# KiCad board demomatrix.kicad_pcb (continued)
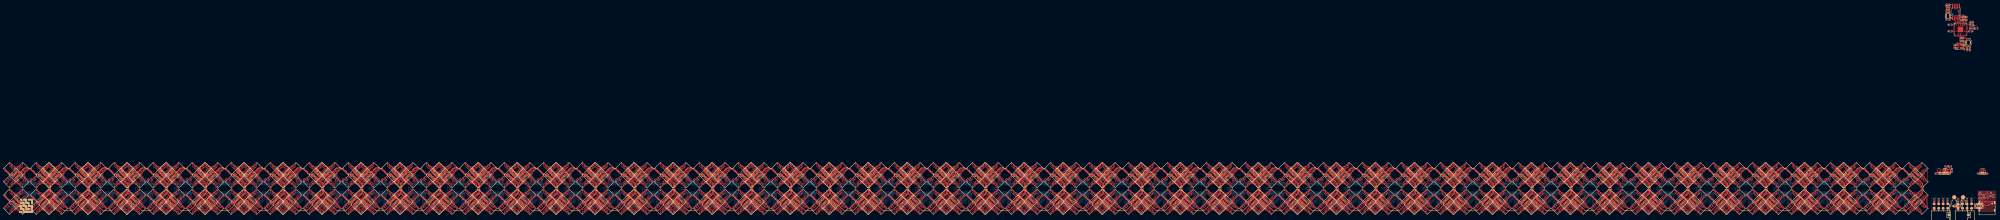
[diagram p0: board, top side]
## Nets (continued)
rgbs[1]-anodes-anode-114: LED257.5 LED258.6
rgbs[1]-anodes-anode-115: LED257.7 LED258.8
rgbs[1]-anodes-anode-116: LED261.3 LED262.4
rgbs[1]-anodes-anode-117: LED261.1 LED262.2
rgbs[1]-anodes-anode-118: LED261.5 LED262.6
rgbs[1]-anodes-anode-119: LED261.7 LED262.8
rgbs[1]-anodes-anode-120: LED265.3 LED266.4
rgbs[1]-anodes-anode-121: LED265.1 LED266.2
rgbs[1]-anodes-anode-122: LED265.5 LED266.6
rgbs[1]-anodes-anode-123: LED265.7 LED266.8
rgbs[1]-anodes-anode-124: LED269.3 LED270.4
rgbs[1]-anodes-anode-125: LED269.1 LED270.2
rgbs[1]-anodes-anode-126: LED269.5 LED270.6
rgbs[1]-anodes-anode-127: LED269.7 LED270.8
rgbs[1]-anodes-anode-128: LED273.3 LED274.4
rgbs[1]-anodes-anode-129: LED273.1 LED274.2
rgbs[1]-anodes-anode-130: LED273.5 LED274.6
rgbs[1]-anodes-anode-131: LED273.7 LED274.8
rgbs[1]-anodes-anode-132: LED277.3 LED278.4
rgbs[1]-anodes-anode-133: LED277.1 LED278.2
rgbs[1]-anodes-anode-134: LED277.5 LED278.6
rgbs[1]-anodes-anode-135: LED277.7 LED278.8
rgbs[1]-anodes-anode-136: LED281.3 LED282.4
rgbs[1]-anodes-anode-137: LED281.1 LED282.2
rgbs[1]-anodes-anode-138: LED281.5 LED282.6
rgbs[1]-anodes-anode-139: LED281.7 LED282.8
rgbs[1]-anodes-anode-140: LED285.3 LED286.4
rgbs[1]-anodes-anode-141: LED285.1 LED286.2
rgbs[1]-anodes-anode-142: LED285.5 LED286.6
rgbs[1]-anodes-anode-143: LED285.7 LED286.8
rgbs[1]-anodes-anode-144: LED289.3 LED290.4
rgbs[1]-anodes-anode-145: LED289.1 LED290.2
rgbs[1]-anodes-anode-146: LED289.5 LED290.6
rgbs[1]-anodes-anode-147: LED289.7 LED290.8
rgbs[1]-anodes-anode-148: LED293.3 LED294.4
rgbs[1]-anodes-anode-149: LED293.1 LED294.2
rgbs[1]-anodes-anode-150: LED293.5 LED294.6
rgbs[1]-anodes-anode-151: LED293.7 LED294.8
rgbs[1]-anodes-anode-152: LED297.3 LED298.4
rgbs[1]-anodes-anode-153: LED297.1 LED298.2
rgbs[1]-anodes-anode-154: LED297.5 LED298.6
rgbs[1]-anodes-anode-155: LED297.7 LED298.8
rgbs[1]-anodes-anode-156: LED301.3 LED302.4
rgbs[1]-anodes-anode-157: LED301.1 LED302.2
rgbs[1]-anodes-anode-158: LED301.5 LED302.6
rgbs[1]-anodes-anode-159: LED301.7 LED302.8
rgbs[1]-anodes-anode-160: LED305.3 LED306.4
rgbs[1]-anodes-anode-161: LED305.1 LED306.2
rgbs[1]-anodes-anode-162: LED305.5 LED306.6
rgbs[1]-anodes-anode-163: LED305.7 LED306.8
rgbs[1]-anodes-anode-164: LED309.3 LED310.4
rgbs[1]-anodes-anode-165: LED309.1 LED310.2
rgbs[1]-anodes-anode-166: LED309.5 LED310.6
rgbs[1]-anodes-anode-167: LED309.7 LED310.8
rgbs[1]-anodes-anode-168: LED313.3 LED314.4
rgbs[1]-anodes-anode-169: LED313.1 LED314.2
rgbs[1]-anodes-anode-170: LED313.5 LED314.6
rgbs[1]-anodes-anode-171: LED313.7 LED314.8
rgbs[1]-anodes-anode-172: LED317.3 LED318.4
rgbs[1]-anodes-anode-173: LED317.1 LED318.2
rgbs[1]-anodes-anode-174: LED317.5 LED318.6
rgbs[1]-anodes-anode-175: LED317.7 LED318.8
rgbs[1]-anodes-anode-176: LED17.3 LED18.4
rgbs[1]-anodes-anode-177: LED17.1 LED18.2
rgbs[1]-anodes-anode-178: LED17.5 LED18.6
rgbs[1]-anodes-anode-179: LED17.7 LED18.8
rgbs[1]-anodes-anode-180: LED21.3 LED22.4
rgbs[1]-anodes-anode-181: LED21.1 LED22.2
rgbs[1]-anodes-anode-182: LED21.5 LED22.6
rgbs[1]-anodes-anode-183: LED21.7 LED22.8
rgbs[1]-anodes-anode-184: LED25.3 LED26.4
rgbs[1]-anodes-anode-185: LED25.1 LED26.2
rgbs[1]-anodes-anode-186: LED25.5 LED26.6
rgbs[1]-anodes-anode-187: LED25.7 LED26.8
rgbs[1]-anodes-anode-188: LED29.3 LED30.4
rgbs[1]-anodes-anode-189: LED29.1 LED30.2
rgbs[1]-anodes-anode-190: LED29.5 LED30.6
rgbs[1]-anodes-anode-191: LED29.7 LED30.8
rgbs[1]-anodes-anode-192: LED321.3 LED322.4
rgbs[1]-anodes-anode-193: LED321.1 LED322.2
rgbs[1]-anodes-anode-194: LED321.5 LED322.6
rgbs[1]-anodes-anode-195: LED321.7 LED322.8
rgbs[1]-anodes-anode-196: LED325.3 LED326.4
rgbs[1]-anodes-anode-197: LED325.1 LED326.2
rgbs[1]-anodes-anode-198: LED325.5 LED326.6
rgbs[1]-anodes-anode-199: LED325.7 LED326.8
rgbs[1]-anodes-anode-200: LED329.3 LED330.4
rgbs[1]-anodes-anode-201: LED329.1 LED330.2
rgbs[1]-anodes-anode-202: LED329.5 LED330.6
rgbs[1]-anodes-anode-203: LED329.7 LED330.8
rgbs[1]-anodes-anode-204: LED333.3 LED334.4
rgbs[1]-anodes-anode-205: LED333.1 LED334.2
rgbs[1]-anodes-anode-206: LED333.5 LED334.6
rgbs[1]-anodes-anode-207: LED333.7 LED334.8
rgbs[1]-anodes-anode-208: LED337.3 LED338.4
rgbs[1]-anodes-anode-209: LED337.1 LED338.2
rgbs[1]-anodes-anode-210: LED337.5 LED338.6
rgbs[1]-anodes-anode-211: LED337.7 LED338.8
rgbs[1]-anodes-anode-212: LED341.3 LED342.4
rgbs[1]-anodes-anode-213: LED341.1 LED342.2
rgbs[1]-anodes-anode-214: LED341.5 LED342.6
rgbs[1]-anodes-anode-215: LED341.7 LED342.8
rgbs[1]-anodes-anode-216: LED345.3 LED346.4
rgbs[1]-anodes-anode-217: LED345.1 LED346.2
rgbs[1]-anodes-anode-218: LED345.5 LED346.6
rgbs[1]-anodes-anode-219: LED345.7 LED346.8
rgbs[1]-anodes-anode-220: LED349.3 LED350.4
rgbs[1]-anodes-anode-221: LED349.1 LED350.2
rgbs[1]-anodes-anode-222: LED349.5 LED350.6
rgbs[1]-anodes-anode-223: LED349.7 LED350.8
rgbs[1]-anodes-anode-224: LED353.3 LED354.4
rgbs[1]-anodes-anode-225: LED353.1 LED354.2
rgbs[1]-anodes-anode-226: LED353.5 LED354.6
rgbs[1]-anodes-anode-227: LED353.7 LED354.8
rgbs[1]-anodes-anode-228: LED357.3 LED358.4
rgbs[1]-anodes-anode-229: LED357.1 LED358.2
rgbs[1]-anodes-anode-230: LED357.5 LED358.6
rgbs[1]-anodes-anode-231: LED357.7 LED358.8
rgbs[1]-anodes-anode-232: LED361.3 LED362.4
rgbs[1]-anodes-anode-233: LED361.1 LED362.2
rgbs[1]-anodes-anode-234: LED361.5 LED362.6
rgbs[1]-anodes-anode-235: LED361.7 LED362.8
rgbs[1]-anodes-anode-236: LED365.3 LED366.4
rgbs[1]-anodes-anode-237: LED365.1 LED366.2
rgbs[1]-anodes-anode-238: LED365.5 LED366.6
rgbs[1]-anodes-anode-239: LED365.7 LED366.8
rgbs[1]-anodes-anode-240: LED369.3 LED370.4
rgbs[1]-anodes-anode-241: LED369.1 LED370.2
rgbs[1]-anodes-anode-242: LED369.5 LED370.6
rgbs[1]-anodes-anode-243: LED369.7 LED370.8
rgbs[1]-anodes-anode-244: LED373.3 LED374.4
rgbs[1]-anodes-anode-245: LED373.1 LED374.2
rgbs[1]-anodes-anode-246: LED373.5 LED374.6
rgbs[1]-anodes-anode-247: LED373.7 LED374.8
rgbs[1]-anodes-anode-248: LED377.3 LED378.4
rgbs[1]-anodes-anode-249: LED377.1 LED378.2
rgbs[1]-anodes-anode-250: LED377.5 LED378.6
rgbs[1]-anodes-anode-251: LED377.7 LED378.8
rgbs[1]-anodes-anode-252: LED381.3 LED382.4
rgbs[1]-anodes-anode-253: LED381.1 LED382.2
rgbs[1]-anodes-anode-254: LED381.5 LED382.6
rgbs[1]-anodes-anode-255: LED381.7 LED382.8
rgbs[1]-anodes-anode-256: LED385.3 LED386.4
rgbs[1]-anodes-anode-257: LED385.1 LED386.2
rgbs[1]-anodes-anode-258: LED385.5 LED386.6
rgbs[1]-anodes-anode-259: LED385.7 LED386.8
rgbs[1]-anodes-anode-260: LED389.3 LED390.4
rgbs[1]-anodes-anode-261: LED389.1 LED390.2
rgbs[1]-anodes-anode-262: LED389.5 LED390.6
rgbs[1]-anodes-anode-263: LED389.7 LED390.8
rgbs[1]-anodes-anode-264: LED393.3 LED394.4
rgbs[1]-anodes-anode-265: LED393.1 LED394.2
rgbs[1]-anodes-anode-266: LED393.5 LED394.6
rgbs[1]-anodes-anode-267: LED393.7 LED394.8
rgbs[1]-anodes-anode-268: LED397.3 LED398.4
rgbs[1]-anodes-anode-269: LED397.1 LED398.2
rgbs[1]-anodes-anode-270: LED397.5 LED398.6
rgbs[1]-anodes-anode-271: LED397.7 LED398.8
rgbs[1]-anodes-anode-272: LED401.3 LED402.4
rgbs[1]-anodes-anode-273: LED401.1 LED402.2
rgbs[1]-anodes-anode-274: LED401.5 LED402.6
rgbs[1]-anodes-anode-275: LED401.7 LED402.8
rgbs[1]-anodes-anode-276: LED405.3 LED406.4
rgbs[1]-anodes-anode-277: LED405.1 LED406.2
rgbs[1]-anodes-anode-278: LED405.5 LED406.6
rgbs[1]-anodes-anode-279: LED405.7 LED406.8
rgbs[1]-anodes-anode-280: LED409.3 LED410.4
rgbs[1]-anodes-anode-281: LED409.1 LED410.2
rgbs[1]-anodes-anode-282: LED409.5 LED410.6
rgbs[1]-anodes-anode-283: LED409.7 LED410.8
rgbs[1]-anodes-anode-284: LED413.3 LED414.4
rgbs[1]-anodes-anode-285: LED413.1 LED414.2
rgbs[1]-anodes-anode-286: LED413.5 LED414.6
rgbs[1]-anodes-anode-287: LED413.7 LED414.8
rgbs[1]-anodes-anode-288: LED417.3 LED418.4
rgbs[1]-anodes-anode-289: LED417.1 LED418.2
rgbs[1]-anodes-anode-290: LED417.5 LED418.6
rgbs[1]-anodes-anode-291: LED417.7 LED418.8
rgbs[1]-anodes-anode-292: LED421.3 LED422.4
rgbs[1]-anodes-anode-293: LED421.1 LED422.2
rgbs[1]-anodes-anode-294: LED421.5 LED422.6
rgbs[1]-anodes-anode-295: LED421.7 LED422.8
rgbs[1]-anodes-anode-296: LED425.3 LED426.4
rgbs[1]-anodes-anode-297: LED425.1 LED426.2
rgbs[1]-anodes-anode-298: LED425.5 LED426.6
rgbs[1]-anodes-anode-299: LED425.7 LED426.8
rgbs[1]-anodes-anode-300: LED429.3 LED430.4
rgbs[1]-anodes-anode-301: LED429.1 LED430.2
rgbs[1]-anodes-anode-302: LED429.5 LED430.6
rgbs[1]-anodes-anode-303: LED429.7 LED430.8
rgbs[1]-anodes-anode-304: LED433.3 LED434.4
rgbs[1]-anodes-anode-305: LED433.1 LED434.2
rgbs[1]-anodes-anode-306: LED433.5 LED434.6
rgbs[1]-anodes-anode-307: LED433.7 LED434.8
rgbs[1]-anodes-anode-308: LED437.3 LED438.4
rgbs[1]-anodes-anode-309: LED437.1 LED438.2
rgbs[1]-anodes-anode-310: LED437.5 LED438.6
rgbs[1]-anodes-anode-311: LED437.7 LED438.8
rgbs[1]-anodes-anode-312: LED441.3 LED442.4
rgbs[1]-anodes-anode-313: LED441.1 LED442.2
rgbs[1]-anodes-anode-314: LED441.5 LED442.6
rgbs[1]-anodes-anode-315: LED441.7 LED442.8
rgbs[1]-anodes-anode-316: LED445.3 LED446.4
rgbs[1]-anodes-anode-317: LED445.1 LED446.2
rgbs[1]-anodes-anode-318: LED445.5 LED446.6
rgbs[1]-anodes-anode-319: LED445.7 LED446.8
rgbs[1]-anodes-anode-320: LED449.3 LED450.4
rgbs[1]-anodes-anode-321: LED449.1 LED450.2
rgbs[1]-anodes-anode-322: LED449.5 LED450.6
rgbs[1]-anodes-anode-323: LED449.7 LED450.8
rgbs[1]-anodes-anode-324: LED453.3 LED454.4
rgbs[1]-anodes-anode-325: LED453.1 LED454.2
rgbs[1]-anodes-anode-326: LED453.5 LED454.6
rgbs[1]-anodes-anode-327: LED453.7 LED454.8
rgbs[1]-anodes-anode-328: LED457.3 LED458.4
rgbs[1]-anodes-anode-329: LED457.1 LED458.2
rgbs[1]-anodes-anode-330: LED457.5 LED458.6
rgbs[1]-anodes-anode-331: LED457.7 LED458.8
rgbs[1]-anodes-anode-332: LED461.3 LED462.4
rgbs[1]-anodes-anode-333: LED461.1 LED462.2
rgbs[1]-anodes-anode-334: LED461.5 LED462.6
rgbs[1]-anodes-anode-335: LED461.7 LED462.8
rgbs[1]-anodes-anode-336: LED465.3 LED466.4
rgbs[1]-anodes-anode-337: LED465.1 LED466.2
rgbs[1]-anodes-anode-338: LED465.5 LED466.6
rgbs[1]-anodes-anode-339: LED465.7 LED466.8
rgbs[1]-anodes-anode-340: LED469.3 LED470.4
rgbs[1]-anodes-anode-341: LED469.1 LED470.2
rgbs[1]-anodes-anode-342: LED469.5 LED470.6
rgbs[1]-anodes-anode-343: LED469.7 LED470.8
rgbs[1]-anodes-anode-344: LED473.3 LED474.4
rgbs[1]-anodes-anode-345: LED473.1 LED474.2
rgbs[1]-anodes-anode-346: LED473.5 LED474.6
rgbs[1]-anodes-anode-347: LED473.7 LED474.8
rgbs[1]-anodes-anode-348: LED477.3 LED478.4
rgbs[1]-anodes-anode-349: LED477.1 LED478.2
rgbs[1]-anodes-anode-350: LED477.5 LED478.6
rgbs[1]-anodes-anode-351: LED477.7 LED478.8
rgbs[1]-anodes-anode-352: LED33.3 LED34.4
rgbs[1]-anodes-anode-353: LED33.1 LED34.2
rgbs[1]-anodes-anode-354: LED33.5 LED34.6
rgbs[1]-anodes-anode-355: LED33.7 LED34.8
rgbs[1]-anodes-anode-356: LED37.3 LED38.4
rgbs[1]-anodes-anode-357: LED37.1 LED38.2
rgbs[1]-anodes-anode-358: LED37.5 LED38.6
rgbs[1]-anodes-anode-359: LED37.7 LED38.8
rgbs[1]-anodes-anode-360: LED41.3 LED42.4
rgbs[1]-anodes-anode-361: LED41.1 LED42.2
rgbs[1]-anodes-anode-362: LED41.5 LED42.6
rgbs[1]-anodes-anode-363: LED41.7 LED42.8
rgbs[1]-anodes-anode-364: LED45.3 LED46.4
rgbs[1]-anodes-anode-365: LED45.1 LED46.2
rgbs[1]-anodes-anode-366: LED45.5 LED46.6
rgbs[1]-anodes-anode-367: LED45.7 LED46.8
rgbs[1]-anodes-anode-368: LED481.3 LED482.4
rgbs[1]-anodes-anode-369: LED481.1 LED482.2
rgbs[1]-anodes-anode-370: LED481.5 LED482.6
rgbs[1]-anodes-anode-371: LED481.7 LED482.8
rgbs[1]-anodes-anode-372: LED485.3 LED486.4
rgbs[1]-anodes-anode-373: LED485.1 LED486.2
rgbs[1]-anodes-anode-374: LED485.5 LED486.6
rgbs[1]-anodes-anode-375: LED485.7 LED486.8
rgbs[1]-anodes-anode-376: LED489.3 LED490.4
rgbs[1]-anodes-anode-377: LED489.1 LED490.2
rgbs[1]-anodes-anode-378: LED489.5 LED490.6
rgbs[1]-anodes-anode-379: LED489.7 LED490.8
rgbs[1]-anodes-anode-380: LED493.3 LED494.4
rgbs[1]-anodes-anode-381: LED493.1 LED494.2
rgbs[1]-anodes-anode-382: LED493.5 LED494.6
rgbs[1]-anodes-anode-383: LED493.7 LED494.8
rgbs[1]-anodes-anode-384: LED497.3 LED498.4
rgbs[1]-anodes-anode-385: LED497.1 LED498.2
rgbs[1]-anodes-anode-386: LED497.5 LED498.6
rgbs[1]-anodes-anode-387: LED497.7 LED498.8
rgbs[1]-anodes-anode-388: LED501.3 LED502.4
rgbs[1]-anodes-anode-389: LED501.1 LED502.2
rgbs[1]-anodes-anode-390: LED501.5 LED502.6
rgbs[1]-anodes-anode-391: LED501.7 LED502.8
rgbs[1]-anodes-anode-392: LED505.3 LED506.4
rgbs[1]-anodes-anode-393: LED505.1 LED506.2
rgbs[1]-anodes-anode-394: LED505.5 LED506.6
rgbs[1]-anodes-anode-395: LED505.7 LED506.8
rgbs[1]-anodes-anode-396: LED509.3 LED510.4
rgbs[1]-anodes-anode-397: LED509.1 LED510.2
rgbs[1]-anodes-anode-398: LED509.5 LED510.6
rgbs[1]-anodes-anode-399: LED509.7 LED510.8
rgbs[1]-anodes-anode-400: LED513.3 LED514.4
rgbs[1]-anodes-anode-401: LED513.1 LED514.2
rgbs[1]-anodes-anode-402: LED513.5 LED514.6
rgbs[1]-anodes-anode-403: LED513.7 LED514.8
rgbs[1]-anodes-anode-404: LED517.3 LED518.4
rgbs[1]-anodes-anode-405: LED517.1 LED518.2
rgbs[1]-anodes-anode-406: LED517.5 LED518.6
rgbs[1]-anodes-anode-407: LED517.7 LED518.8
rgbs[1]-anodes-anode-408: LED521.3 LED522.4
rgbs[1]-anodes-anode-409: LED521.1 LED522.2
rgbs[1]-anodes-anode-410: LED521.5 LED522.6
rgbs[1]-anodes-anode-411: LED521.7 LED522.8
rgbs[1]-anodes-anode-412: LED525.3 LED526.4
rgbs[1]-anodes-anode-413: LED525.1 LED526.2
rgbs[1]-anodes-anode-414: LED525.5 LED526.6
rgbs[1]-anodes-anode-415: LED525.7 LED526.8
rgbs[1]-anodes-anode-416: LED529.3 LED530.4
rgbs[1]-anodes-anode-417: LED529.1 LED530.2
rgbs[1]-anodes-anode-418: LED529.5 LED530.6
rgbs[1]-anodes-anode-419: LED529.7 LED530.8
rgbs[1]-anodes-anode-420: LED533.3 LED534.4
rgbs[1]-anodes-anode-421: LED533.1 LED534.2
rgbs[1]-anodes-anode-422: LED533.5 LED534.6
rgbs[1]-anodes-anode-423: LED533.7 LED534.8
rgbs[1]-anodes-anode-424: LED537.3 LED538.4
rgbs[1]-anodes-anode-425: LED537.1 LED538.2
rgbs[1]-anodes-anode-426: LED537.5 LED538.6
rgbs[1]-anodes-anode-427: LED537.7 LED538.8
rgbs[1]-anodes-anode-428: LED541.3 LED542.4
rgbs[1]-anodes-anode-429: LED541.1 LED542.2
rgbs[1]-anodes-anode-430: LED541.5 LED542.6
rgbs[1]-anodes-anode-431: LED541.7 LED542.8
rgbs[1]-anodes-anode-432: LED545.3 LED546.4
rgbs[1]-anodes-anode-433: LED545.1 LED546.2
rgbs[1]-anodes-anode-434: LED545.5 LED546.6
rgbs[1]-anodes-anode-435: LED545.7 LED546.8
rgbs[1]-anodes-anode-436: LED549.3 LED550.4
rgbs[1]-anodes-anode-437: LED549.1 LED550.2
rgbs[1]-anodes-anode-438: LED549.5 LED550.6
rgbs[1]-anodes-anode-439: LED549.7 LED550.8
rgbs[1]-anodes-anode-440: LED553.3 LED554.4
rgbs[1]-anodes-anode-441: LED553.1 LED554.2
rgbs[1]-anodes-anode-442: LED553.5 LED554.6
rgbs[1]-anodes-anode-443: LED553.7 LED554.8
rgbs[1]-anodes-anode-444: LED557.3 LED558.4
rgbs[1]-anodes-anode-445: LED557.1 LED558.2
rgbs[1]-anodes-anode-446: LED557.5 LED558.6
rgbs[1]-anodes-anode-447: LED557.7 LED558.8
rgbs[1]-anodes-anode-448: LED561.3 LED562.4
rgbs[1]-anodes-anode-449: LED561.1 LED562.2
rgbs[1]-anodes-anode-450: LED561.5 LED562.6
rgbs[1]-anodes-anode-451: LED561.7 LED562.8
rgbs[1]-anodes-anode-452: LED565.3 LED566.4
rgbs[1]-anodes-anode-453: LED565.1 LED566.2
rgbs[1]-anodes-anode-454: LED565.5 LED566.6
rgbs[1]-anodes-anode-455: LED565.7 LED566.8
rgbs[1]-anodes-anode-456: LED569.3 LED570.4
rgbs[1]-anodes-anode-457: LED569.1 LED570.2
rgbs[1]-anodes-anode-458: LED569.5 LED570.6
rgbs[1]-anodes-anode-459: LED569.7 LED570.8
rgbs[1]-anodes-anode-460: LED573.3 LED574.4
rgbs[1]-anodes-anode-461: LED573.1 LED574.2
rgbs[1]-anodes-anode-462: LED573.5 LED574.6
rgbs[1]-anodes-anode-463: LED573.7 LED574.8
rgbs[1]-anodes-anode-464: LED577.3 LED578.4
rgbs[1]-anodes-anode-465: LED577.1 LED578.2
rgbs[1]-anodes-anode-466: LED577.5 LED578.6
rgbs[1]-anodes-anode-467: LED577.7 LED578.8
rgbs[1]-anodes-anode-468: LED581.3 LED582.4
rgbs[1]-anodes-anode-469: LED581.1 LED582.2
rgbs[1]-anodes-anode-470: LED581.5 LED582.6
rgbs[1]-anodes-anode-471: LED581.7 LED582.8
rgbs[1]-anodes-anode-472: LED585.3 LED586.4
rgbs[1]-anodes-anode-473: LED585.1 LED586.2
rgbs[1]-anodes-anode-474: LED585.5 LED586.6
rgbs[1]-anodes-anode-475: LED585.7 LED586.8
rgbs[1]-anodes-anode-476: LED589.3 LED590.4
rgbs[1]-anodes-anode-477: LED589.1 LED590.2
rgbs[1]-anodes-anode-478: LED589.5 LED590.6
rgbs[1]-anodes-anode-479: LED589.7 LED590.8
rgbs[1]-anodes-anode-480: LED593.3 LED594.4
rgbs[1]-anodes-anode-481: LED593.1 LED594.2
rgbs[1]-anodes-anode-482: LED593.5 LED594.6
rgbs[1]-anodes-anode-483: LED593.7 LED594.8
rgbs[1]-anodes-anode-484: LED597.3 LED598.4
rgbs[1]-anodes-anode-485: LED597.1 LED598.2
rgbs[1]-anodes-anode-486: LED597.5 LED598.6
rgbs[1]-anodes-anode-487: LED597.7 LED598.8
rgbs[1]-anodes-anode-488: LED601.3 LED602.4
rgbs[1]-anodes-anode-489: LED601.1 LED602.2
rgbs[1]-anodes-anode-490: LED601.5 LED602.6
rgbs[1]-anodes-anode-491: LED601.7 LED602.8
rgbs[1]-anodes-anode-492: LED605.3 LED606.4
rgbs[1]-anodes-anode-493: LED605.1 LED606.2
rgbs[1]-anodes-anode-494: LED605.5 LED606.6
rgbs[1]-anodes-anode-495: LED605.7 LED606.8
rgbs[1]-anodes-anode-496: LED609.3 LED610.4
rgbs[1]-anodes-anode-497: LED609.1 LED610.2
rgbs[1]-anodes-anode-498: LED609.5 LED610.6
rgbs[1]-anodes-anode-499: LED609.7 LED610.8
rgbs[1]-anodes-anode-500: LED613.3 LED614.4
rgbs[1]-anodes-anode-501: LED613.1 LED614.2
rgbs[1]-anodes-anode-502: LED613.5 LED614.6
rgbs[1]-anodes-anode-503: LED613.7 LED614.8
rgbs[1]-anodes-anode-504: LED617.3 LED618.4
rgbs[1]-anodes-anode-505: LED617.1 LED618.2
rgbs[1]-anodes-anode-506: LED617.5 LED618.6
rgbs[1]-anodes-anode-507: LED617.7 LED618.8
rgbs[1]-anodes-anode-508: LED621.3 LED622.4
rgbs[1]-anodes-anode-509: LED621.1 LED622.2
rgbs[1]-anodes-anode-510: LED621.5 LED622.6
rgbs[1]-anodes-anode-511: LED621.7 LED622.8
rgbs[1]-anodes-anode-512: LED625.3 LED626.4
rgbs[1]-anodes-anode-513: LED625.1 LED626.2
rgbs[1]-anodes-anode-514: LED625.5 LED626.6
rgbs[1]-anodes-anode-515: LED625.7 LED626.8
rgbs[1]-anodes-anode-516: LED629.3 LED630.4
rgbs[1]-anodes-anode-517: LED629.1 LED630.2
rgbs[1]-anodes-anode-518: LED629.5 LED630.6
rgbs[1]-anodes-anode-519: LED629.7 LED630.8
rgbs[1]-anodes-anode-520: LED633.3 LED634.4
rgbs[1]-anodes-anode-521: LED633.1 LED634.2
rgbs[1]-anodes-anode-522: LED633.5 LED634.6
rgbs[1]-anodes-anode-523: LED633.7 LED634.8
rgbs[1]-anodes-anode-524: LED637.3 LED638.4
rgbs[1]-anodes-anode-525: LED637.1 LED638.2
rgbs[1]-anodes-anode-526: LED637.5 LED638.6
rgbs[1]-anodes-anode-527: LED637.7 LED638.8
rgbs[1]-anodes-anode-528: LED49.3 LED50.4
rgbs[1]-anodes-anode-529: LED49.1 LED50.2
rgbs[1]-anodes-anode-530: LED49.5 LED50.6
rgbs[1]-anodes-anode-531: LED49.7 LED50.8
rgbs[1]-anodes-anode-532: LED53.3 LED54.4
rgbs[1]-anodes-anode-533: LED53.1 LED54.2
rgbs[1]-anodes-anode-534: LED53.5 LED54.6
rgbs[1]-anodes-anode-535: LED53.7 LED54.8
rgbs[1]-anodes-anode-536: LED57.3 LED58.4
rgbs[1]-anodes-anode-537: LED57.1 LED58.2
rgbs[1]-anodes-anode-538: LED57.5 LED58.6
rgbs[1]-anodes-anode-539: LED57.7 LED58.8
rgbs[1]-anodes-anode-540: LED61.3 LED62.4
rgbs[1]-anodes-anode-541: LED61.1 LED62.2
rgbs[1]-anodes-anode-542: LED61.5 LED62.6
rgbs[1]-anodes-anode-543: LED61.7 LED62.8
rgbs[1]-anodes-anode-544: LED641.3 LED642.4
rgbs[1]-anodes-anode-545: LED641.1 LED642.2
rgbs[1]-anodes-anode-546: LED641.5 LED642.6
rgbs[1]-anodes-anode-547: LED641.7 LED642.8
rgbs[1]-anodes-anode-548: LED645.3 LED646.4
rgbs[1]-anodes-anode-549: LED645.1 LED646.2
rgbs[1]-anodes-anode-550: LED645.5 LED646.6
rgbs[1]-anodes-anode-551: LED645.7 LED646.8
rgbs[1]-anodes-anode-552: LED649.3 LED650.4
rgbs[1]-anodes-anode-553: LED649.1 LED650.2
rgbs[1]-anodes-anode-554: LED649.5 LED650.6
rgbs[1]-anodes-anode-555: LED649.7 LED650.8
rgbs[1]-anodes-anode-556: LED653.3 LED654.4
rgbs[1]-anodes-anode-557: LED653.1 LED654.2
rgbs[1]-anodes-anode-558: LED653.5 LED654.6
rgbs[1]-anodes-anode-559: LED653.7 LED654.8
rgbs[1]-anodes-anode-560: LED657.3 LED658.4
rgbs[1]-anodes-anode-561: LED657.1 LED658.2
rgbs[1]-anodes-anode-562: LED657.5 LED658.6
rgbs[1]-anodes-anode-563: LED657.7 LED658.8
rgbs[1]-anodes-anode-564: LED661.3 LED662.4
rgbs[1]-anodes-anode-565: LED661.1 LED662.2
rgbs[1]-anodes-anode-566: LED661.5 LED662.6
rgbs[1]-anodes-anode-567: LED661.7 LED662.8
rgbs[1]-anodes-anode-568: LED665.3 LED666.4
rgbs[1]-anodes-anode-569: LED665.1 LED666.2
rgbs[1]-anodes-anode-570: LED665.5 LED666.6
rgbs[1]-anodes-anode-571: LED665.7 LED666.8
rgbs[1]-anodes-anode-572: LED669.3 LED670.4
rgbs[1]-anodes-anode-573: LED669.1 LED670.2
rgbs[1]-anodes-anode-574: LED669.5 LED670.6
rgbs[1]-anodes-anode-575: LED669.7 LED670.8
rgbs[1]-anodes-anode-576: LED673.3 LED674.4
rgbs[1]-anodes-anode-577: LED673.1 LED674.2
rgbs[1]-anodes-anode-578: LED673.5 LED674.6
rgbs[1]-anodes-anode-579: LED673.7 LED674.8
rgbs[1]-anodes-anode-580: LED677.3 LED678.4
rgbs[1]-anodes-anode-581: LED677.1 LED678.2
rgbs[1]-anodes-anode-582: LED677.5 LED678.6
rgbs[1]-anodes-anode-583: LED677.7 LED678.8
rgbs[1]-anodes-anode-584: LED681.3 LED682.4
rgbs[1]-anodes-anode-585: LED681.1 LED682.2
rgbs[1]-anodes-anode-586: LED681.5 LED682.6
rgbs[1]-anodes-anode-587: LED681.7 LED682.8
rgbs[1]-anodes-anode-588: LED685.3 LED686.4
rgbs[1]-anodes-anode-589: LED685.1 LED686.2
rgbs[1]-anodes-anode-590: LED685.5 LED686.6
rgbs[1]-anodes-anode-591: LED685.7 LED686.8
rgbs[1]-anodes-anode-592: LED689.3 LED690.4
rgbs[1]-anodes-anode-593: LED689.1 LED690.2
rgbs[1]-anodes-anode-594: LED689.5 LED690.6
rgbs[1]-anodes-anode-595: LED689.7 LED690.8
rgbs[1]-anodes-anode-596: LED693.3 LED694.4
rgbs[1]-anodes-anode-597: LED693.1 LED694.2
rgbs[1]-anodes-anode-598: LED693.5 LED694.6
rgbs[1]-anodes-anode-599: LED693.7 LED694.8
rgbs[1]-anodes-anode-600: LED697.3 LED698.4
rgbs[1]-anodes-anode-601: LED697.1 LED698.2
rgbs[1]-anodes-anode-602: LED697.5 LED698.6
rgbs[1]-anodes-anode-603: LED697.7 LED698.8
rgbs[1]-anodes-anode-604: LED701.3 LED702.4
rgbs[1]-anodes-anode-605: LED701.1 LED702.2
rgbs[1]-anodes-anode-606: LED701.5 LED702.6
rgbs[1]-anodes-anode-607: LED701.7 LED702.8
rgbs[1]-anodes-anode-608: LED705.3 LED706.4
rgbs[1]-anodes-anode-609: LED705.1 LED706.2
rgbs[1]-anodes-anode-610: LED705.5 LED706.6
rgbs[1]-anodes-anode-611: LED705.7 LED706.8
rgbs[1]-anodes-anode-612: LED709.3 LED710.4
rgbs[1]-anodes-anode-613: LED709.1 LED710.2
rgbs[1]-anodes-anode-614: LED709.5 LED710.6
rgbs[1]-anodes-anode-615: LED709.7 LED710.8
rgbs[1]-anodes-anode-616: LED713.3 LED714.4
rgbs[1]-anodes-anode-617: LED713.1 LED714.2
rgbs[1]-anodes-anode-618: LED713.5 LED714.6
rgbs[1]-anodes-anode-619: LED713.7 LED714.8
rgbs[1]-anodes-anode-620: LED717.3 LED718.4
rgbs[1]-anodes-anode-621: LED717.1 LED718.2
rgbs[1]-anodes-anode-622: LED717.5 LED718.6
rgbs[1]-anodes-anode-623: LED717.7 LED718.8
rgbs[1]-anodes-anode-624: LED721.3 LED722.4
rgbs[1]-anodes-anode-625: LED721.1 LED722.2
rgbs[1]-anodes-anode-626: LED721.5 LED722.6
rgbs[1]-anodes-anode-627: LED721.7 LED722.8
rgbs[1]-anodes-anode-628: LED725.3 LED726.4
rgbs[1]-anodes-anode-629: LED725.1 LED726.2
rgbs[1]-anodes-anode-630: LED725.5 LED726.6
rgbs[1]-anodes-anode-631: LED725.7 LED726.8
rgbs[1]-anodes-anode-632: LED729.3 LED730.4
rgbs[1]-anodes-anode-633: LED729.1 LED730.2
rgbs[1]-anodes-anode-634: LED729.5 LED730.6
rgbs[1]-anodes-anode-635: LED729.7 LED730.8
rgbs[1]-anodes-anode-636: LED733.3 LED734.4
rgbs[1]-anodes-anode-637: LED733.1 LED734.2
rgbs[1]-anodes-anode-638: LED733.5 LED734.6
rgbs[1]-anodes-anode-639: LED733.7 LED734.8
rgbs[1]-anodes-anode-640: LED737.3 LED738.4
rgbs[1]-anodes-anode-641: LED737.1 LED738.2
rgbs[1]-anodes-anode-642: LED737.5 LED738.6
rgbs[1]-anodes-anode-643: LED737.7 LED738.8
rgbs[1]-anodes-anode-644: LED741.3 LED742.4
rgbs[1]-anodes-anode-645: LED741.1 LED742.2
rgbs[1]-anodes-anode-646: LED741.5 LED742.6
rgbs[1]-anodes-anode-647: LED741.7 LED742.8
rgbs[1]-anodes-anode-648: LED745.3 LED746.4
rgbs[1]-anodes-anode-649: LED745.1 LED746.2
rgbs[1]-anodes-anode-650: LED745.5 LED746.6
rgbs[1]-anodes-anode-651: LED745.7 LED746.8
rgbs[1]-anodes-anode-652: LED749.3 LED750.4
rgbs[1]-anodes-anode-653: LED749.1 LED750.2
rgbs[1]-anodes-anode-654: LED749.5 LED750.6
rgbs[1]-anodes-anode-655: LED749.7 LED750.8
rgbs[1]-anodes-anode-656: LED753.3 LED754.4
rgbs[1]-anodes-anode-657: LED753.1 LED754.2
rgbs[1]-anodes-anode-658: LED753.5 LED754.6
rgbs[1]-anodes-anode-659: LED753.7 LED754.8
rgbs[1]-anodes-anode-660: LED757.3 LED758.4
rgbs[1]-anodes-anode-661: LED757.1 LED758.2
rgbs[1]-anodes-anode-662: LED757.5 LED758.6
rgbs[1]-anodes-anode-663: LED757.7 LED758.8
rgbs[1]-anodes-anode-664: LED761.3 LED762.4
rgbs[1]-anodes-anode-665: LED761.1 LED762.2
rgbs[1]-anodes-anode-666: LED761.5 LED762.6
rgbs[1]-anodes-anode-667: LED761.7 LED762.8
rgbs[1]-anodes-anode-668: LED765.3 LED766.4
rgbs[1]-anodes-anode-669: LED765.1 LED766.2
rgbs[1]-anodes-anode-670: LED765.5 LED766.6
rgbs[1]-anodes-anode-671: LED765.7 LED766.8
rgbs[1]-anodes-anode-672: LED769.3 LED770.4
rgbs[1]-anodes-anode-673: LED769.1 LED770.2
rgbs[1]-anodes-anode-674: LED769.5 LED770.6
rgbs[1]-anodes-anode-675: LED769.7 LED770.8
rgbs[1]-anodes-anode-676: LED773.3 LED774.4
rgbs[1]-anodes-anode-677: LED773.1 LED774.2
rgbs[1]-anodes-anode-678: LED773.5 LED774.6
rgbs[1]-anodes-anode-679: LED773.7 LED774.8
rgbs[1]-anodes-anode-680: LED777.3 LED778.4
rgbs[1]-anodes-anode-681: LED777.1 LED778.2
rgbs[1]-anodes-anode-682: LED777.5 LED778.6
rgbs[1]-anodes-anode-683: LED777.7 LED778.8
